# Allegro board LAY-90841_A4.brd (continued)
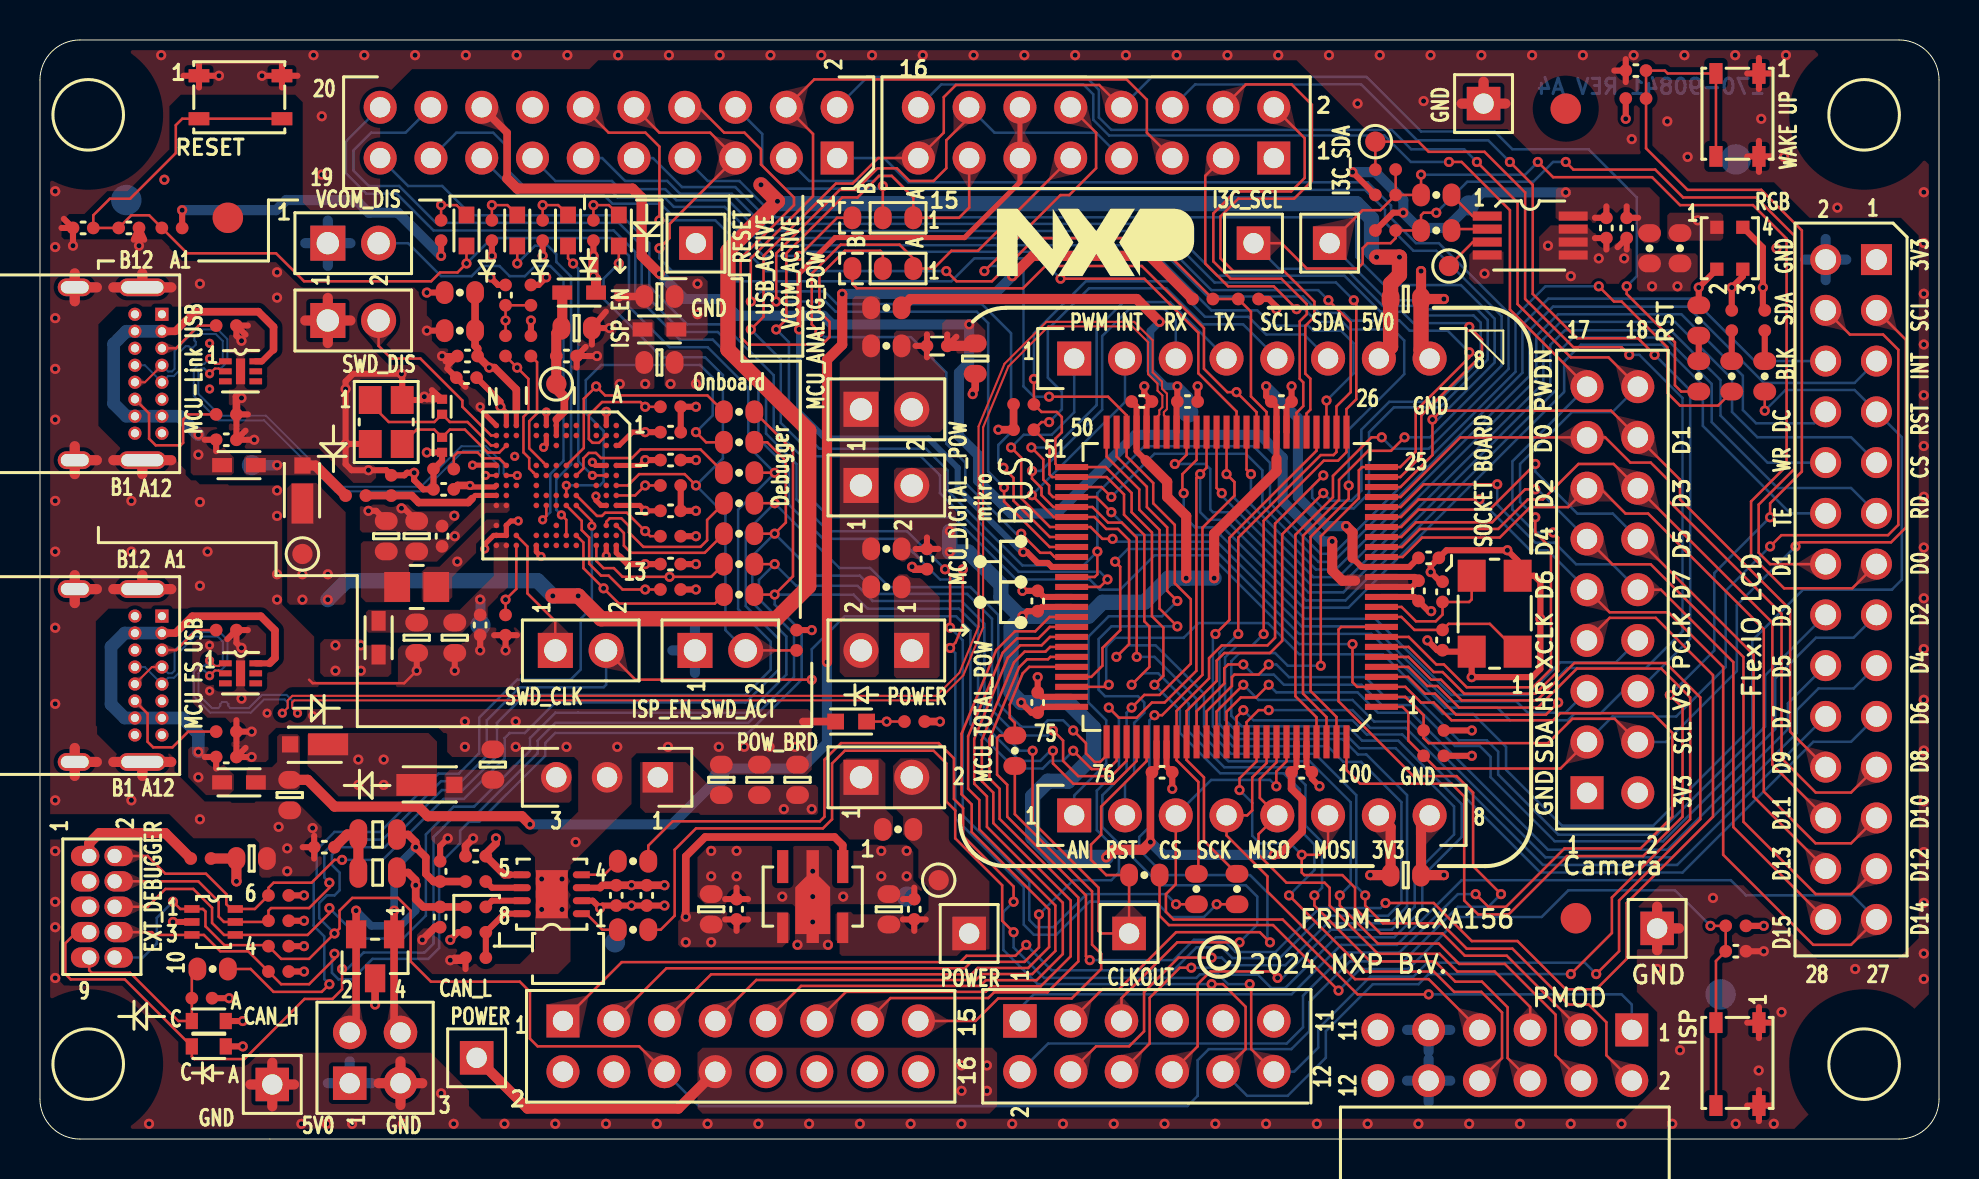
[diagram p0: board, top side]
## Routing (per net, layer and track width the routed paths; a pad name or vN(x,y) marks a point on that pad's centre or on a via; arc(x,y) is an arc through that point) (continued)
DBGIF_TMS_SWDIO: length 8.4
  TOP w0.127: U3.B11 28.33,30.89 28.5,31.06 29.08,31.06 29.46,30.68 29.46,30.35 30.18,29.63 33.04,29.63 33.37,29.96 33.37,30.98 R33.2
DBGIF_VREF: length 7.7
  TOP w0.254: 23.83,36.52 U3.L1
  TOP w0.381: R23.2 R24.1 21.77,39.69 21.89,39.56 C33.1 v1(22.47,38.6) 22.74,38.6 23.83,37.51 23.83,36.52
FL_USB1_DM: length 31.9
  TOP w0.102: v2(8.48,39.06) 8.75,38.79 8.95,38.79 9.07,38.92 U4.1
  TOP w0.127: U3.N6 v2(22.29,33.21)
  BOTTOM w0.102: v2(22.29,33.21) 22.86,33.21 22.97,33.31 22.97,33.69 22.21,34.44 21.18,34.44 19.14,32.41 14.76,32.41 11.21,35.97 8.92,35.97 7.7,37.19 7.7,38.51 7.98,38.79 8.22,38.79 v2(8.48,39.06) 8.75,38.79 8.95,38.79 9.14,38.99 9.14,39.94 8.8,40.28 7.9,40.28 7.72,40.11 7.72,39.96 7.8,39.89 7.8,39.75 7.65,39.6 7.51,39.6 7.44,39.68 7.29,39.68 6.96,39.34 6.96,38.44 6.7,38.18 6.41,38.18 J21.A7 5.25,38.72 J21.B7
FL_USB1_DP: length 31.9
  TOP w0.102: J21.B6 5.25,37.87 J21.A6 ; U4.2 9.08,38.42 8.94,38.56 8.75,38.56 v2(8.48,38.3)
  TOP w0.127: U3.M6 v2(23.87,33.21)
  BOTTOM w0.102: J21.A6 6.41,38.41 6.6,38.41 6.73,38.54 6.73,39.44 7.8,40.51 8.89,40.51 9.37,40.03 9.37,38.89 9.04,38.56 8.75,38.56 v2(8.48,38.3) 8.22,38.56 8.07,38.56 7.92,38.41 7.92,37.29 9.02,36.2 11.3,36.2 14.86,32.64 19.05,32.64 21.08,34.67 22.31,34.67 23.19,33.78 23.19,33.31 23.3,33.21 v2(23.87,33.21)
HW_VER_0: length 5.2
  TOP w0.127: U3.E8 26.84,32.21 27.86,31.18 28.12,31.18 28.27,31.34 29.36,31.34 v1(30.27,30.42) 30.53,30.17 R27.1
HW_VER_1: length 2.4
  TOP w0.127: R28.1 v1(30.27,32.71) 29.77,32.21 U3.A8
HW_VER_2: length 7.5
  TOP w0.127: U3.F9 27.1,30.94 27.1,30.47 27.47,30.1 27.47,28.79 28.07,28.19 28.45,28.19 29.14,27.5 v1(30.27,27.5) R29.1
HW_VER_3: length 6.2
  TOP w0.127: R30.1 v1(30.27,36.64) 30.04,36.88 28.12,36.88 27.46,36.22 27.46,35.03 27.64,34.84 27.96,34.84 U3.B2
HW_VER_4: length 3.6
  TOP w0.127: U3.M5 22.97,34.06 22.19,34.06 21.89,34.36 20.9,34.36 20.7,34.16 R31.1
HW_VER_5: length 6.1
  TOP w0.127: U3.H5 25.19,33.85 25.19,33.85 24.47,34.57 24.47,35.92 24.87,36.32 24.87,38.88 R32.1
HW_VER_6: length 24.1
  TOP w0.127: v2(25.15,30.99) 25.33,31.17 U3.H9
  BOTTOM w0.127: v2(25.15,30.99) 25.53,31.37 25.53,33.27 26.19,33.93 26.19,43.03 25.53,43.69 24.77,43.69 24.26,43.18 23.49,43.18 22.99,43.69 22.1,43.69 21.59,43.18 20.07,43.18 18.41,44.83 JP6.2
HW_VER_7: length 9.2
  TOP w0.127: U3.N2 22.57,35.21 21.13,36.64 21.13,36.96 19.03,39.06 17.57,39.06 16.94,39.69 JP7.2
HW_VER_8: length 3.7
  TOP w0.127: U3.L13 23.83,27.53 v1(23.29,26.99) R26.1
JTAG_VREF: length 6.5
  TOP w0.508: R38.2 6.27,15.31 2.97,15.31 2.46,14.8 J24.1
LDO_3V3: length 16.2
  TOP w0.305: 43.74,10.42 C3.1 ; C3.1 43.17,10.99 ; C3.1 44.31,10.99
  TOP w0.381: R11.1 v1(45.02,20.89)
  TOP w0.508: J18.1 24.38,1.52 31.94,1.52 J3.8
  vias: v1(46.1,3.68) v1(46.1,2.41) v1(47.37,3.68) v1(47.37,2.41)
LED_USB_COMM: length 18.3
  TOP w0.127: U3.F12 26.33,30.99 v2(26.08,31.23) ; D5.C v1(23.88,43.81)
  BOTTOM w0.127: v2(26.08,31.23) 25.83,31.49 25.83,33.02 26.57,33.76 26.57,43.15 25.83,43.89 25.83,44.27 25.4,44.7 24.77,44.7 v1(23.88,43.81)
LED_VCOM_ACT: length 12.7
  TOP w0.127: v1(26.67,43.81) 26.42,44.07 D7.C ; U3.B6 v2(27.63,33.21)
  BOTTOM w0.127: v2(27.63,33.21) 26.93,33.91 26.93,43.56 v1(26.67,43.81)
MCU_LINK_3V3: length 16.1
  TOP w0.254: U3.N7 22.75,32.63 21.59,32.63 v2(21.51,32.71) ; U3.A3 28.97,34.71 29.64,35.37 v1(30.27,35.37) ; U3.A13 28.83,29.34 29.02,29.15 ; U3.M1 23.33,36.35 v1(23.04,36.64) ; C16.1 v1(30.27,31.44) 30,31.71 U3.A9 ; U3.A5 30.02,33.71 30.27,33.96 v1(30.27,33.98)
  TOP w0.305: 29.02,29.15 29.4,28.77 v1(30.27,28.77) C17.1 ; R12.1 24.94,42.74 v1(25.32,43.12) ; v1(30.27,33.98) C18.1 ; C30.1 v1(30.27,35.37) ; v1(23.04,36.64) 23.04,36.91 C15.1
  TOP w0.381: v2(21.51,32.71) 20.9,32.71 C31.1
  vias: v1(29,37.79) v1(30.27,37.79)
MCU_LINK_N_16MHZ: length 6.5
  TOP w0.127: Y1.3 18.84,35.5 19.73,35.5 C28.1 20.5,35.5 21.26,35.5 22.41,34.35 22.97,34.35 U3.M3
MCU_LINK_P_16MHZ: length 7.7
  TOP w0.127: Y1.1 16.52,36.81 17.45,35.88 19.73,35.88 C29.1 20.5,35.88 21.38,35.88 22.56,34.71 U3.N3
MCU_LINK_RST: length 6.8
  TOP w0.127: U3.J6 24.69,33.35 24.68,33.35 24.47,33.56 24.47,34.07 24.19,34.36 24.19,36.14 24.43,36.39 24.43,38.04 v1(23.87,38.6) R13.2
MCU_LNK_RX: length 9.7
  TOP w0.127: U3.E12 27.19,29.85 27.19,28.57 v1(28.19,27.56) 28.96,26.8 33.76,26.8 R46.1
MCU_LNK_TX: length 6.7
  TOP w0.127: U3.A11 29.21,30.33 29.21,29.69 29.56,29.34 33.25,29.34 R45.1
P0_0/SWDIO: length 77
  TOP w0.127: v1(51.69,20.45) 52.32,19.81 52.32,19.3 52.76,18.87 53.03,18.87 53.36,19.19 U8.76 ; J24.2 5.38,14.16 6.27,13.28 8.3,13.28 9.32,12.26 9.32,11.75 9.56,11.51 D10.6 10.75,11.51 R39.2 11.43,12.57 11.68,12.83 13.59,12.83 14.73,13.97 v1(15.11,13.97) ; R33.1 v1(36.75,31.82)
  BOTTOM w0.127: v1(51.69,20.45) 51.18,20.96 50.42,20.96 50.09,20.62 49.1,20.62 47.94,21.78 47.94,26.23 46.55,27.62 42.48,27.62 41.53,28.57 39.99,28.57 v1(36.75,31.82) 35.31,30.37 35.31,26.67 36.96,25.02 36.96,23.5 35.31,21.84 25.78,21.84 24.26,20.32 23.49,20.32 23.24,20.07 23.24,19.05 21.21,17.02 20.19,17.02 17.14,13.97 v1(15.11,13.97)
P0_1/SWCLK: length 71.4
  TOP w0.127: JP8.2 29.79,22.99 v1(38.61,22.99) ; U8.77 53.86,18.93 53.44,18.51 52.61,18.51 v1(51.69,19.43) ; v1(14.48,12.83) 14.48,12.57 13.46,11.56 11.56,11.56 11.43,11.43 R43.1 11.37,10.86 D10.5 9.2,10.86 8.94,11.13 8.94,11.88 7.92,12.89 J24.4
  BOTTOM w0.127: v1(51.69,19.43) 51.18,18.92 50.55,18.92 50.16,18.54 48.77,18.54 46.55,20.76 46.55,25.44 45.82,26.16 40.26,26.16 38.61,24.51 v1(38.61,22.99) ; v1(14.48,12.83) 14.22,13.08 14.22,14.35 14.86,14.99 17.14,14.99 20.07,17.91 21.08,17.91 22.35,19.18 22.35,20.96 24,22.61 28.19,22.61 28.32,22.73 JP8.2
P0_2: length 87.4
  TOP w0.127: v1(50.67,20.45) 51.18,19.94 51.18,18.92 51.94,18.16 53.59,18.16 54.36,18.92 U8.78 ; R45.2 v1(36.75,30.29) 37.31,30.85 37.31,33.93 36.38,34.87 R36.1 ; J24.6 5.38,11.62 6.27,12.51 7.67,12.51 8.61,11.57 8.61,10.81 9.21,10.21 D10.4 13.39,10.21 14.48,11.3 v1(14.48,11.56)
  BOTTOM w0.127: v1(14.48,11.56) 16,10.03 18.16,10.03 19.3,11.18 19.3,15.24 20.7,16.64 21.72,16.64 24.51,19.43 24.51,20.07 25.78,21.34 26.92,21.34 35.43,21.34 37.34,23.24 37.34,25.15 35.63,26.85 35.63,29.18 v1(36.75,30.29) 38.85,28.19 41.02,28.19 41.94,27.28 46.38,27.28 47.62,26.04 47.62,21.46 48.9,20.19 50.42,20.19 v1(50.67,20.45)
P0_3: length 90
  TOP w0.127: v1(14.73,9.27) 14.73,9.02 13.46,7.75 12.06,7.75 R40.2 10.41,9.4 9.02,9.4 8.2,10.21 D10.3 5.74,10.21 5.6,10.35 J24.8 ; v1(50.67,19.43) 50.67,18.8 51.69,17.78 53.72,17.78 54.86,18.92 U8.79 ; R37.1 37.67,34.46 37.67,28.16 v1(36.75,27.25) R46.2
  BOTTOM w0.127: v1(14.73,9.27) 14.61,9.14 14.61,8.32 14.93,7.99 14.94,7.99 15.61,7.99 16.64,9.02 19.43,9.02 19.97,9.55 19.97,13.74 21.02,14.8 21.02,15.43 21.46,15.88 21.97,15.88 25.27,19.18 25.27,19.81 25.78,20.32 35.43,20.32 38.1,22.99 38.1,25.4 36.75,26.75 v1(36.75,27.25) 40.7,27.25 41.4,26.54 45.97,26.54 46.93,25.59 46.93,21.02 49.02,18.92 50.04,18.92 50.55,19.43 v1(50.67,19.43)
P0_6: length 104.8
  TOP w0.127: R35.1 v1(36.75,28.77) ; J24.7 1.83,10.35 1.27,9.8 1.27,8.26 1.54,7.99 4.24,7.99 D9.C 7.6,4.13 7.72,4 10.22,4 13.23,7.01 14.63,7.01 15.11,7.49 v1(15.11,8.51) ; U8.80 55.36,18.91 53.09,16.64 53.09,15.24 52.58,14.73 52.58,13.97 53.34,13.21 R84.1 J10.1 53.09,10.29 52.96,10.41 52.96,12.57 49.66,15.88 v1(49.66,19.43)
  BOTTOM w0.127: v1(15.11,8.51) 15.37,8.51 16.19,9.33 19.24,9.33 19.69,9.78 19.69,15.11 20.83,16.26 21.84,16.26 24.89,19.3 24.89,19.94 25.78,20.83 35.43,20.83 37.72,23.11 37.72,25.27 35.96,27.03 35.96,27.98 v1(36.75,28.77) 37.84,27.69 40.89,27.69 41.66,26.92 46.1,26.92 47.24,25.78 47.24,21.21 49.02,19.43 v1(49.66,19.43)
P0_6/ISPMODE_N-SW: length 43.9
  TOP w0.127: v1(83.57,10.67) R48.2 C38.1 83.84,8.91 SW3.3 SW3.4 ; R84.2 56.01,11.18 56.48,10.71 61.68,10.71 v1(64.96,7.43)
  BOTTOM w0.127: v1(64.96,7.43) 66.04,8.51 68.45,8.51 71.06,11.11 75.12,11.11 76.45,12.45 81.79,12.45 v1(83.57,10.67)
P0_16: length 103.5
  TOP w0.127: v1(69.09,48.26) R77.1 R55.2 ; R54.2 R55.2 ; R55.2 67.06,46.48 66.17,46.48 J11.1 ; J8.13 90.66,27.56 87.25,27.56 85.6,29.21 85.6,31.91 87.38,33.69 87.38,45.05 85.69,46.74 82.04,46.74 80.64,48.13 75.69,48.13 v1(74.93,48.89) ; v1(64.2,33.21) 61.79,30.8 61.79,25.08 61.4,24.7 59.12,24.7 58.48,24.07 58.48,23.05 56.86,21.42 U8.83 56.86,18.96 57.95,17.87 57.95,13.37 R87.1
  BOTTOM w0.127: v1(64.2,33.21) 63.64,32.65 63.64,32.09 64.17,31.56 65.72,31.56 66.48,32.32 66.48,35.37 67.73,36.61 70.03,36.61 72.42,39.01 72.42,40.99 71.89,41.52 69.37,41.52 68.91,41.97 67.37,41.97 J11.1 ; v1(69.09,48.26) 74.3,48.26 v1(74.93,48.89)
P0_16/LPI2C0_SDA-ARD_D18: length 76.3
  TOP w0.127: R87.2 v1(56.83,11.75) ; v1(45.28,28.51) 45.53,28.26 v1(45.53,25.59)
  BOTTOM w0.127: J2.18 18.29,50.36 16.57,50.36 15.68,49.47 15.68,48.45 16.45,47.69 17.97,47.69 19.81,45.85 28.96,45.85 30.1,44.7 30.1,42.42 32.13,40.39 33.91,40.39 36.32,37.97 36.32,35.31 37.85,33.78 37.85,32 39.43,30.42 43.37,30.42 v1(45.28,28.51) ; v1(45.53,25.59) 46.16,24.96 46.16,16.19 49.49,12.87 49.49,10.96 49.85,10.6 50.7,10.6 52.35,12.26 56.32,12.26 v1(56.83,11.75)
P0_17: length 104.5
  TOP w0.127: J8.14 86.55,28.77 85.98,29.34 85.98,31.75 87.76,33.53 87.76,45.21 85.85,47.12 82.2,47.12 80.8,48.51 76.71,48.51 v1(76.33,48.89) ; v1(69.85,46.35) 69.22,46.35 69.09,46.23 R78.1 R57.2 67.82,45.09 67.56,44.83 66.42,44.83 66.17,44.58 66.17,43.81 65.91,43.56 63.37,43.56 62.1,44.83 J12.1 ; R88.1 58.23,14.92 58.23,18.1 57.36,18.97 U8.84 57.36,21.42 58.86,22.92 58.86,23.94 59.25,24.32 61.53,24.32 62.14,24.93 62.14,30.26 v1(64.2,32.32)
  BOTTOM w0.127: v1(69.85,46.35) 71.4,47.9 74.7,47.9 75.69,48.89 v1(76.33,48.89) ; v1(64.2,32.32) 64.58,31.94 65.6,31.94 66.1,32.45 66.1,35.5 67.5,36.89 69.91,36.89 72.07,39.05 72.07,40.86 71.72,41.21 69.28,41.21 68.8,41.69 67.17,41.69 65.32,43.55 61.99,43.55 J12.1
P0_17/LPI2C0_SCL-ARD_D19: length 79
  TOP w0.127: R88.2 v1(58.86,11.75) ; v1(46.16,28.51) 46.16,25.72 45.81,24.85 v1(45.53,24.57)
  BOTTOM w0.127: v1(46.16,28.51) 45.66,28 45.02,28 42.99,30.04 39.18,30.04 37.46,31.75 37.46,33.53 35.94,35.05 35.94,37.72 33.66,40 32,40 29.78,42.23 29.78,44.39 28.7,45.47 19.68,45.47 17.84,47.31 16.32,47.31 15.3,48.33 15.3,49.92 J2.20 ; v1(45.53,24.57) 45.79,24.31 45.79,16.04 49.21,12.62 49.21,10.73 49.72,10.22 50.85,10.22 52.51,11.88 55.81,11.88 56.58,11.11 58.23,11.11 v1(58.86,11.75)
P0_18/FXIO_D2: length 47.4
  TOP w0.127: U8.85 57.86,21.41 59.25,22.8 59.25,23.56 59.44,23.75 v1(60.2,23.75)
  BOTTOM w0.127: v1(60.2,23.75) 60.71,23.24 61.72,23.24 62.23,22.73 66.11,22.73 67.12,21.72 68.74,21.72 70.78,19.67 72.02,19.67 72.57,19.13 72.57,18.11 75.78,14.9 81.2,14.9 86.8,20.51 86.8,23.05 88.84,25.09 90.73,25.09 J8.15
P0_19/FXIO_D3: length 44
  TOP w0.127: v1(61.47,23.75) 60.96,23.24 59.75,23.24 59.63,23.11 59.63,22.67 58.36,21.4 U8.86
  BOTTOM w0.127: v1(61.47,23.75) 61.85,23.75 62.48,23.11 66.29,23.11 67.31,22.1 68.83,22.1 70.98,19.95 72.38,19.95 72.95,19.38 72.95,18.24 75.95,15.23 80.89,15.23 86.3,20.64 86.3,23.2 J8.16
P0_20/FXIO_D4: length 43.3
  TOP w0.127: U8.87 58.86,21.39 v1(60.2,22.73)
  BOTTOM w0.127: J8.17 90.73,22.55 88.97,22.55 87.88,21.46 87.88,20.32 81.66,14.1 75.31,14.1 68.52,20.89 66.74,20.89 65.66,21.97 60.96,21.97 v1(60.2,22.73)
P0_21/FXIO_D5: length 40
  TOP w0.127: U8.88 59.36,21.38 60.07,22.1 60.83,22.1 v1(61.47,22.73)
  BOTTOM w0.127: v1(61.47,22.73) 61.85,22.35 65.91,22.35 66.93,21.34 68.58,21.34 75.44,14.48 81.41,14.48 87.44,20.51 87.44,21.8 J8.18
P0_22/FXIO_D6: length 40
  TOP w0.127: U8.89 59.86,21.12 v1(60.2,21.46)
  BOTTOM w0.127: v1(60.2,21.46) 60.71,20.96 65.66,20.96 66.37,20.24 68.15,20.24 75.06,13.34 82.17,13.34 88.71,19.88 90.6,19.88 J8.19
P0_23/FXIO_D7: length 36.5
  TOP w0.127: v1(61.47,21.46) 60.96,21.46 60.36,20.86 U8.90
  BOTTOM w0.127: J8.20 81.9,13.72 75.18,13.72 68.33,20.57 66.55,20.57 65.66,21.46 v1(61.47,21.46)
P1_0: length 29.9
  TOP w0.127: J6.6 64.44,14.65 64.01,14.22 v1(63.12,14.22) 63.12,13.34 63.25,13.21 65.15,13.21 65.79,12.57 65.79,11.56 67.06,10.29 70.16,10.29 71.28,9.17 73.38,9.17 J7.3 ; v1(60.01,17.46) 60.01,18.05 60.86,18.9 U8.91
  BOTTOM w0.127: v1(63.12,14.22) 62.55,14.8 61.02,14.8 60.64,15.18 60.64,16.83 v1(60.01,17.46)
P1_1: length 23.2
  TOP w0.127: J7.7 69.47,8 65.79,8 61.4,12.38 61.4,13.14 59.36,15.19 J6.4 60.39,16.2 60.64,16.45 60.64,18.1 61.36,18.81 U8.92
P1_2: length 25.2
  TOP w0.127: U8.93 61.86,18.86 61.02,18.02 61.02,17.07 J6.5 60.96,15.26 60.96,14.22 62.36,12.83 64.26,12.83 64.52,12.57 64.52,11.68 66.93,9.27 70.01,9.27 70.9,8.38 72.77,8.38 74.55,6.6 J7.5
P1_3: length 39.9
  TOP w0.127: v1(69.47,7.24) 65.91,7.24 62.17,10.99 56.71,10.99 56.32,11.37 56.32,12.26 56.82,12.75 J6.3 ; v1(61.85,17.65) 61.85,18.39 62.36,18.9 U8.94
  BOTTOM w0.127: J6.3 58.59,17.97 61.53,17.97 v1(61.85,17.65) ; J7.1 79.63,6.73 79.12,7.24 v1(69.47,7.24)
P1_4/ADC0_A20-MC_BEMF_A: length 66
  TOP w0.127: U8.97 63.86,21.11 62.8,22.16 62.8,30.24 64.68,32.12 64.68,33.19 66.61,35.12 v1(67.12,35.12)
  BOTTOM w0.127: J2.1 42.22,49.09 43.43,47.88 66.42,47.88 67.59,46.71 67.59,46.08 68.83,44.83 69.98,44.83 73.46,41.34 73.46,38.54 69.47,34.54 67.69,34.54 v1(67.12,35.12)
P1_5/ADC0_A21-MC_BEMF_B: length 67
  TOP w0.127: v1(68.26,35.12) 67.59,34.44 66.45,34.44 64.99,32.98 64.99,31.99 63.18,30.19 63.18,22.29 64.36,21.11 U8.98
  BOTTOM w0.127: v1(68.26,35.12) 69.53,35.12 73.12,38.7 73.12,41.18 69.85,44.45 68.71,44.45 67.28,45.87 67.28,46.51 66.29,47.5 43.31,47.5 42.61,48.2 41.97,48.2 41.72,47.94 38.49,47.94 J2.3
P1_6/TRIG_IN2-MC_ENC_I: length 39.8
  TOP w0.127: U8.99 64.86,21.12 63.56,22.42 63.56,30.14 65.47,32.04 v1(65.47,32.7) ; J1.3 58.29,48.2 58.29,43.82 59.44,42.67 61.72,42.67 v1(62.87,41.53)
  BOTTOM w0.127: v1(62.87,41.53) 63.25,41.53 63.88,40.89 65.15,40.89 65.53,40.51 67.69,40.51 68.25,39.96 68.25,38.28 65.47,35.5 v1(65.47,32.7)
P1_7/WUU0_IN9-SW: length 79.7
  TOP w0.127: v1(86.55,31.12) 86.55,31.81 88.14,33.4 88.14,45.47 86.11,47.5 82.42,47.5 80.34,49.58 R50.2 C40.1 81.28,53.47 81.42,53.32 SW2.3 SW2.4 ; v1(81.53,22.22) 82.17,21.59 82.17,16.13 80.2,14.16 76.39,14.16 73.47,11.24 71.95,11.24 71.25,11.94 71.25,17.14 70.61,17.78 66.04,17.78 65.36,18.46 U8.100
  BOTTOM w0.127: v1(81.53,22.22) 83.76,24.45 83.76,28.32 v1(86.55,31.12)
P1_8: length 48.4
  TOP w0.127: U8.1 68.16,21.63 68.45,21.34 68.45,19.94 R80.2 69.85,18.54 76.06,18.54 J9.3 ; J8.4 90.54,40.26 92.2,40.26 92.96,39.5 92.96,30.73 92.45,30.22 87.11,30.22 v1(86.55,29.65)
  BOTTOM w0.127: J9.3 78.67,21.15 81.85,21.15 84.33,23.62 84.33,27.43 v1(86.55,29.65)
P1_9: length 46.7
  TOP w0.127: J9.4 78.77,21.03 76.66,21.03 75.44,19.81 69.47,19.81 69.22,20.07 R79.2 69.22,21.21 68.3,22.13 U8.2 ; v1(87.82,29.65) 88.03,29.86 92.6,29.86 93.34,30.61 93.34,39.99 J8.3
  BOTTOM w0.127: J9.4 81.34,19.87 84.88,23.42 84.88,26.72 v1(87.82,29.65)
P1_10: length 126.8
  TOP w0.127: v1(71.82,12.26) 72.45,11.62 73.34,11.62 76.26,14.54 80.07,14.54 81.66,16.13 81.66,20.32 80.67,21.31 76.05,21.31 75.69,20.96 70.61,20.96 69.72,21.84 69.09,21.84 68.3,22.63 U8.3 65.89,22.63 65.66,22.86 v1(65.66,24.77)
  BOTTOM w0.127: v1(71.82,12.26) 70.93,12.26 68.01,9.33 65.34,9.33 63.18,7.18 63.18,5.59 62.37,4.78 50.43,4.78 J4.2 ; v1(65.66,24.77) 62.99,24.77 58.55,29.21 55.75,29.21 54.04,27.5 53.02,27.5 52.51,28 48.83,28 45.72,31.12 39.5,31.12 38.31,32.3 38.31,33.95 36.7,35.56 36.7,38.23 34.16,40.77 32.38,40.77 30.48,42.67 30.48,44.83 29.08,46.23 21.59,46.23 20.13,47.69 18.41,47.69 J2.19
P1_11/I3C0_PUR-P3T: length 55.2
  TOP w0.127: v1(75.95,21.84) 75.34,21.23 70.84,21.23 69.79,22.29 69.28,22.29 68.44,23.13 U8.4 ; R54.1 TP3.1 68.96,49.91 69.47,49.4 72.26,49.4 74.3,47.37 74.3,42.04 76.71,39.62 79.12,39.62 v1(79.5,39.24)
  BOTTOM w0.127: v1(79.5,39.24) 80.01,39.24 82.17,37.08 82.17,25.4 80.34,23.57 76.4,23.57 75.95,23.11 v1(75.95,21.84)
P1_12: length 103.4
  TOP w0.127: U8.5 68.45,23.63 69.41,22.67 69.91,22.67 70.99,21.59 74.93,21.59 76.88,23.54 81.11,23.54 82.55,22.1 82.55,16 78.63,12.09 78.63,10.31 v1(76.58,8.25) ; R75.1 30.43,14.68 31.65,15.9 39.01,15.9 39.24,16.13 39.24,18.98 40.07,19.81 44.96,19.81 45.72,19.05 45.72,17.02 46.18,16.56 46.18,15.16 48.7,12.64 v1(48.7,11.87) ; v1(58.61,7.75) 59.18,7.75 60.31,6.62 60.31,4.5 J4.10
  BOTTOM w0.127: v1(48.7,11.87) 48.2,11.37 48.2,9.46 49.91,7.75 v1(58.61,7.75) ; J4.10 60.39,2.16 62.42,2.16 64.33,4.07 64.33,5.4 66.67,7.75 68.96,7.75 69.47,8.25 v1(76.58,8.25)
P1_12/CAN_RXD: length 2.1
  TOP w0.127: U6.4 28.23,13.23 R75.2
P1_13: length 104.2
  TOP w0.127: J4.12 60.59,4.5 60.59,7.68 v1(60.52,7.75) ; R76.1 31.05,10.47 31.75,11.18 31.75,14.48 32.82,15.54 39.17,15.54 39.62,16 39.62,18.8 40.26,19.43 44.7,19.43 45.34,18.8 45.34,16.89 45.78,16.45 45.78,15.05 48.13,12.7 48.13,10.92 v1(48.7,10.35) ; v1(77.85,8.25) 78.99,9.4 78.99,11.94 83.06,16 83.06,22.1 81.34,23.82 76.75,23.82 74.88,21.95 71.12,21.95 70.08,22.99 69.6,22.99 68.46,24.13 U8.6
  BOTTOM w0.127: J4.12 62.74,3.37 63.94,4.58 63.94,5.52 66.55,8.13 68.71,8.13 69.41,8.83 77.28,8.83 v1(77.85,8.25) ; v1(48.7,10.35) 48.7,9.59 50.23,8.06 57.85,8.06 58.03,8.24 58.94,8.24 59.43,7.75 v1(60.52,7.75)
P1_13/CAN_TXD: length 2.2
  TOP w0.127: U6.1 27.33,11.28 28.14,10.47 R76.2
P1_14: length 71.4
  TOP w0.127: v1(75.69,30.35) 75.95,30.1 75.95,23.42 74.82,22.29 71.25,22.29 70.17,23.37 69.72,23.37 68.46,24.63 U8.7 ; J9.17 73.53,41.51 73.53,46.48 71.12,48.89 v1(70.48,48.89)
  BOTTOM w0.127: J1.16 45.09,52.77 52.2,52.77 52.69,52.28 52.69,51.01 53.48,50.22 67.25,50.22 68.58,48.89 v1(70.48,48.89) ; v1(75.69,30.35) 74.8,30.35 73.66,31.5 73.66,33.92 J9.17
P1_15: length 79.2
  TOP w0.127: v1(74.8,31.12) 74.8,30.35 75.59,29.57 75.59,23.52 74.68,22.61 71.37,22.61 70.23,23.75 69.85,23.75 68.47,25.13 U8.8 ; v1(71.88,48.89) 73.91,46.86 73.91,41.78 76.58,39.12 78.47,39.12 J9.18
  BOTTOM w0.127: J2.2 41.4,53.15 52.32,53.15 52.97,52.51 52.97,51.12 53.6,50.5 67.62,50.5 68.59,49.53 71.25,49.53 v1(71.88,48.89) ; J9.18 78.66,36.38 76.64,36.38 74.04,33.78 74.04,31.88 v1(74.8,31.12)
P1_29/MCU_RESET_B: length 210.8
  TOP w0.127: D11.C v1(21.34,43.81) 20.88,43.36 20.01,43.36 19.57,42.93 13.21,42.93 11.81,44.32 7.37,44.32 R47.2 5.46,46.23 4.57,46.23 C37.1 C36.1 2.67,46.23 3.49,47.05 4.51,47.05 6.79,49.34 6.79,50.74 7.12,51.06 SW1.3 SW1.4 ; R34.1 v1(36.75,33.34) ; J3.6 29.97,4.64 24.89,4.64 24.51,5.02 24.51,7.37 24,7.87 19.56,7.87 18.54,8.89 18.54,11.43 17.91,12.07 15.62,12.07 14.99,11.43 14.99,10.54 v1(14.73,10.29) 13.46,9.02 12.06,9.02 R41.2 11.38,9.7 9.22,9.7 8.28,10.64 8.28,11.39 8.15,11.51 D10.1 7.02,11.51 v1(6.65,11.88) ; U8.9 65.09,25.63 64.96,25.5 64.96,21.91 68.71,18.16 70.87,18.16 71.69,17.34 71.69,13.65 v1(73.09,12.26)
  BOTTOM w0.127: v1(21.34,43.81) 22.61,45.09 28.57,45.09 29.46,44.2 29.46,41.66 31.5,39.62 33.4,39.62 35.43,37.59 35.43,34.66 v1(36.75,33.34) 36.75,33.32 34.92,31.5 34.92,26.52 36.55,24.89 36.55,23.48 35.29,22.23 24.26,22.23 22.86,20.83 22.86,19.18 21.15,17.46 20.1,17.46 17.25,14.61 14.99,14.61 14.61,14.22 14.61,13.72 14.99,13.34 14.99,12.45 14.73,12.19 14.35,12.19 13.97,11.81 13.97,11.05 v1(14.73,10.29) ; J3.6 32.96,1.65 57.4,1.65 57.91,2.16 57.91,3.94 58.47,4.5 62.6,4.5 63.5,5.4 63.5,6.86 65.53,8.89 68.2,8.89 70.93,11.62 72.45,11.62 v1(73.09,12.26) ; v1(6.65,11.88) 5.84,11.07 5.84,9.78 5.15,9.08 J24.10
P1_30/XTAL48M: length 7.8
  TOP w0.127: U8.10 68.11,26.13 68.76,25.48 C35.2 70.47,25.78 72.53,25.78 Y2.1
P1_31/EXTAL48M: length 6.8
  TOP w0.127: Y2.3 71.62,27 71.49,26.88 C39.1 70.16,26.25 69.82,25.91 68.83,25.91 68.12,26.63 U8.11
P2_0/FXIO_D8: length 38.7
  TOP w0.127: U8.22 68.07,32.13 71.05,35.11 J9.15 78.3,35.11 79.56,33.85 80.58,33.85 81.47,32.96 81.47,31.94 87.12,26.29 87.12,19.05 88.83,17.34 90.6,17.34 J8.21
P2_1: length 87.8
  TOP w0.127: U8.23 68.06,32.63 69.66,34.23 v1(69.66,36) 70.1,36.45 78.59,36.45 J9.16 82.04,33 82.04,32 87.55,26.49 87.55,20.39 J8.22
  BOTTOM w0.127: v1(69.66,36) 69.91,36 72.77,38.86 72.77,41.05 71.08,42.74 67.25,42.74 65.85,44.13 65.85,45.91 65.63,46.13 36.8,46.13 34.99,47.94 33.41,47.94 J2.7
P2_2/ADC0_A4-MC_CURRENT_DCB: length 55.7
  TOP w0.127: U8.24 68.05,33.13 69.1,34.18 69.1,36.21 72.14,39.24 72.14,40 v1(71.5,40.64)
  BOTTOM w0.127: J2.9 30.67,49.09 32.12,47.64 34.79,47.64 36.63,45.8 56.3,45.8 58.89,43.21 65.25,43.21 67.06,41.4 68.14,41.4 68.71,40.83 71.31,40.83 v1(71.5,40.64)
P2_3: length 125.2
  TOP w0.127: v1(64.07,23.69) 64.07,30.16 65.98,32.07 65.98,33.46 66.14,33.63 U8.25 68.04,33.63 68.82,34.4 68.82,36.44 71.5,39.12 v1(71.5,39.37) ; J4.6 55.51,4.78 55.51,7.07 57.02,8.57 v1(57.59,8.57)
  BOTTOM w0.127: J2.17 20.83,50.36 22.67,50.36 23.37,49.66 23.37,48.52 24.29,47.6 28.42,47.6 28.89,47.12 31.24,47.12 31.71,46.65 34.25,46.65 36.17,44.73 55.84,44.73 58.41,42.16 63.18,42.16 64.01,41.34 65.21,41.34 65.6,40.96 68.01,40.96 68.52,40.45 70.42,40.45 v1(71.5,39.37) ; v1(57.59,8.57) 59.12,8.57 59.47,8.23 60.93,8.23 61.6,7.56 62.29,7.56 64.83,10.1 67.75,10.1 69.15,11.49 69.15,13.14 71.12,15.11 71.12,16.76 67.94,19.94 66.14,19.94 65.42,20.65 60.12,20.65 59.6,21.18 59.6,23.91 60.01,24.32 61.79,24.32 62.42,23.69 v1(64.07,23.69)
P2_4: length 102.8
  TOP w0.127: v1(65.72,41.97) 65.85,41.85 65.85,37.02 65.36,36.53 U8.26 65.36,34.37 64.94,33.95 64.22,33.95 61.21,30.94 v1(61.21,25.27) ; v1(61.91,8.06) 61.59,8.39 58.55,8.39 57.91,7.75 57.91,4.64 J4.8
  BOTTOM w0.127: v1(61.91,8.06) 62.17,8.06 64.58,10.48 67.63,10.48 68.77,11.62 68.77,13.27 70.74,15.24 70.74,16.64 67.82,19.56 66.01,19.56 65.28,20.29 59.97,20.29 59.28,20.98 59.28,24.1 59.88,24.7 60.64,24.7 v1(61.21,25.27) ; v1(65.72,41.97) 64.83,42.86 58.76,42.86 56.18,45.44 36.47,45.44 34.61,47.31 32.02,47.31 31.38,47.95 29.27,47.95 28.13,49.09 J2.11
P2_5: length 105.7
  TOP w0.127: v1(64.45,41.97) 65.57,40.86 65.57,37.37 64.86,36.66 U8.27 64.86,34.38 64.71,34.23 64.07,34.23 59.94,30.1 v1(59.94,25.27) ; v1(58.61,9.08) 56.96,9.08 55.23,7.35 55.23,5.39 54.48,4.64 52.83,4.64 J4.4
  BOTTOM w0.127: J2.13 25.79,47.94 28.61,47.94 29.02,47.53 31.28,47.53 31.84,46.98 34.43,46.98 36.32,45.09 56,45.09 58.6,42.48 63.94,42.48 v1(64.45,41.97) ; v1(59.94,25.27) 59,24.33 59,20.75 59.74,20.01 65.16,20.01 65.93,19.24 66.35,19.24 68.39,17.21 68.39,11.63 67.55,10.79 64.39,10.79 62.29,8.7 59.5,8.7 59.12,9.08 v1(58.61,9.08)
P2_6: length 56.1
  TOP w0.127: R59.3 39.88,46.1 v1(37.97,44.2) ; v1(64.36,36.96) U8.28
  BOTTOM w0.127: v1(64.36,36.96) 65.71,38.31 65.71,39.83 65.09,40.45 63.69,40.45 63.44,40.7 61.66,40.7 60.9,41.47 58.6,41.47 55.67,44.4 38.18,44.4 v1(37.97,44.2) 36.2,44.2 34.09,46.3 31.55,46.3 31.05,46.8 28.64,46.8 28.21,47.23 23.96,47.23 J2.15
P2_7/TRIG_IN5-MC_ENC_B: length 78.8
  TOP w0.127: v1(58.8,25.27) 59.5,25.97 59.5,30.09 63.86,34.44 U8.29 ; J3.1 29.1,8.85 46.03,8.85 46.35,9.17 48.79,9.17 v1(49.34,9.72)
  BOTTOM w0.127: v1(58.8,25.27) 58.67,25.15 58.67,20.65 59.66,19.66 64.41,19.66 65.2,18.87 66.09,18.87 68.11,16.85 68.11,11.85 67.44,11.18 64.13,11.18 62.01,9.06 59.65,9.06 59.12,9.59 57.85,9.59 56.71,8.45 50.61,8.45 v1(49.34,9.72)